# KiCad board Bus_Card.kicad_pcb
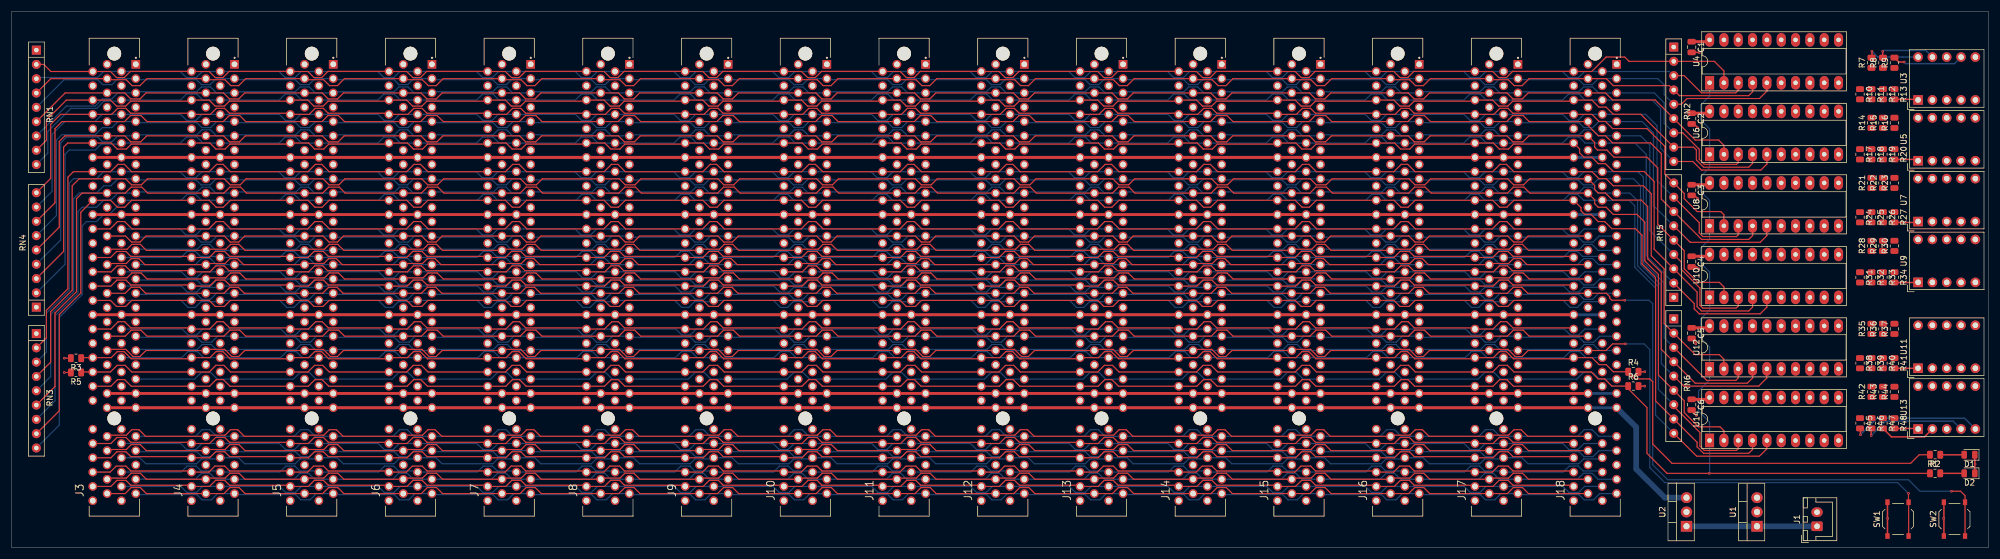
[diagram p0: board, top side]
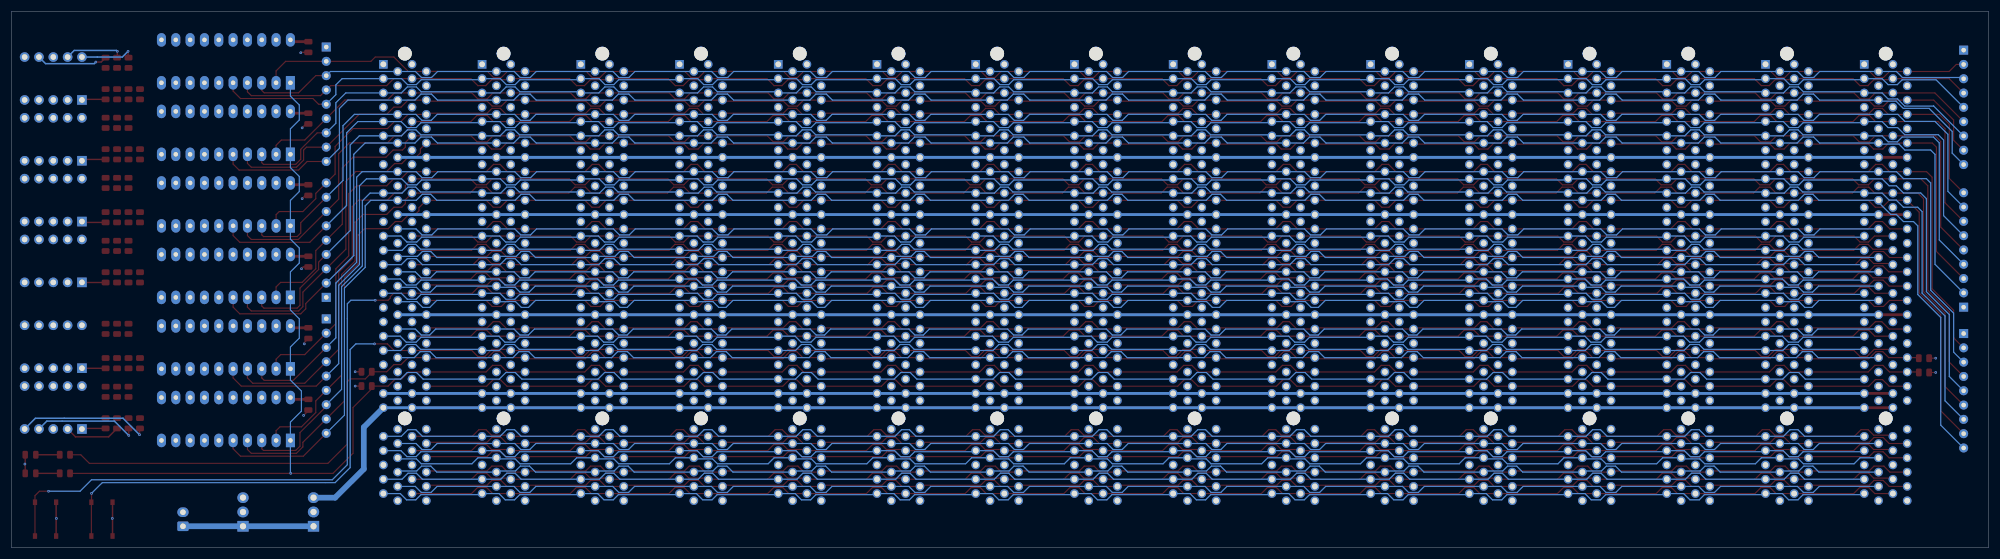
[diagram p1: board, bottom side, seen from below]

Outline 350.52 x 95.25 mm; copper layers: Top, In1.Cu (plane), In2.Cu (plane), Bottom. Coordinates in mm from the lower left corner of the outline.
Outline path: 0,95.25 0,0 350.52,0 350.52,95.25 0,95.25
Stack: Top 0.035mm / dielectric 0.2104mm FR4 er 4.5 / In1.Cu 0.0152mm / dielectric 1.065mm FR4 er 4.5 / In2.Cu 0.0152mm / dielectric 1.2104mm FR4 er 4.5 / Bottom 0.035mm

## Placement (name value [footprint] x y rotation side)
C1  100n  [C_0805_2012Metric]  297.86 88.9 270 top
C2  100n  [C_0805_2012Metric]  297.86 76.2 270 top
C3  100n  [C_0805_2012Metric]  297.86 63.5 270 top
C4  100n  [C_0805_2012Metric]  297.86 50.8 270 top
C5  100n  [C_0805_2012Metric]  297.86 38.1 270 top
C6  100n  [C_0805_2012Metric]  297.86 25.4 270 top
D1  LED  [LED_0805_2012Metric]  347.11 16.51 180 top
D2  LED  [LED_0805_2012Metric]  347.11 13.21 180 top
J1  DC In  [JST_XH_B2B-XH-A_1x02_P2.50mm_Vertical]  320.09 3.81 90 top
J3  Bus_PCI_6502  [TE_5145154-4]  18.26 48.04 90 top
J4  Bus_PCI_6502  [TE_5145154-4]  35.76 48.04 90 top
J5  Bus_PCI_6502  [TE_5145154-4]  53.26 48.04 90 top
J6  Bus_PCI_6502  [TE_5145154-4]  70.76 48.04 90 top
J7  Bus_PCI_6502  [TE_5145154-4]  88.26 48.04 90 top
J8  Bus_PCI_6502  [TE_5145154-4]  105.76 48.04 90 top
J9  Bus_PCI_6502  [TE_5145154-4]  123.26 48.04 90 top
J10  Bus_PCI_6502  [TE_5145154-4]  140.76 48.04 90 top
J11  Bus_PCI_6502  [TE_5145154-4]  158.26 48.04 90 top
J12  Bus_PCI_6502  [TE_5145154-4]  175.76 48.04 90 top
J13  Bus_PCI_6502  [TE_5145154-4]  193.26 48.04 90 top
J14  Bus_PCI_6502  [TE_5145154-4]  210.76 48.04 90 top
J15  Bus_PCI_6502  [TE_5145154-4]  228.26 48.04 90 top
J16  Bus_PCI_6502  [TE_5145154-4]  245.76 48.04 90 top
J17  Bus_PCI_6502  [TE_5145154-4]  263.26 48.04 90 top
J18  Bus_PCI_6502  [TE_5145154-4]  280.76 48.04 90 top
R1  1k  [R_0805_2012Metric]  341.02 16.51 0 top
R2  1k  [R_0805_2012Metric]  341.02 13.21 0 top
R3  10k  [R_0805_2012Metric]  11.48 33.65 180 top
R4  10k  [R_0805_2012Metric]  287.53 31.24 0 top
R5  10k  [R_0805_2012Metric]  11.48 31.11 180 top
R6  10k  [R_0805_2012Metric]  287.53 28.7 0 top
R7  1k  [R_0805_2012Metric]  329.74 86.11 90 top
R8  1k  [R_0805_2012Metric]  331.77 86.11 90 top
R9  1k  [R_0805_2012Metric]  333.8 86.11 90 top
R10  1k  [R_0805_2012Metric]  327.71 80.52 270 top
R11  1k  [R_0805_2012Metric]  329.74 80.52 270 top
R12  1k  [R_0805_2012Metric]  331.77 80.52 270 top
R13  1k  [R_0805_2012Metric]  333.8 80.52 270 top
R14  1k  [R_0805_2012Metric]  329.74 75.44 90 top
R15  1k  [R_0805_2012Metric]  331.77 75.44 90 top
R16  1k  [R_0805_2012Metric]  333.8 75.44 90 top
R17  1k  [R_0805_2012Metric]  327.71 69.85 270 top
R18  1k  [R_0805_2012Metric]  329.74 69.85 270 top
R19  1k  [R_0805_2012Metric]  331.77 69.85 270 top
R20  1k  [R_0805_2012Metric]  333.8 69.85 270 top
R21  1k  [R_0805_2012Metric]  329.74 64.77 90 top
R22  1k  [R_0805_2012Metric]  331.77 64.77 90 top
R23  1k  [R_0805_2012Metric]  333.8 64.77 90 top
R24  1k  [R_0805_2012Metric]  327.71 58.67 270 top
R25  1k  [R_0805_2012Metric]  329.74 58.67 270 top
R26  1k  [R_0805_2012Metric]  331.77 58.67 270 top
R27  1k  [R_0805_2012Metric]  333.8 58.67 270 top
R28  1k  [R_0805_2012Metric]  329.74 53.59 90 top
R29  1k  [R_0805_2012Metric]  331.77 53.59 90 top
R30  1k  [R_0805_2012Metric]  333.8 53.59 90 top
R31  1k  [R_0805_2012Metric]  327.71 48.01 270 top
R32  1k  [R_0805_2012Metric]  329.74 48.01 270 top
R33  1k  [R_0805_2012Metric]  331.77 48.01 270 top
R34  1k  [R_0805_2012Metric]  333.8 48.01 270 top
R35  1k  [R_0805_2012Metric]  329.74 38.86 90 top
R36  1k  [R_0805_2012Metric]  331.77 38.86 90 top
R37  1k  [R_0805_2012Metric]  333.8 38.86 90 top
R38  1k  [R_0805_2012Metric]  327.71 32.77 270 top
R39  1k  [R_0805_2012Metric]  329.74 32.77 270 top
R40  1k  [R_0805_2012Metric]  331.77 32.77 270 top
R41  1k  [R_0805_2012Metric]  333.8 32.77 270 top
R42  1k  [R_0805_2012Metric]  329.74 27.69 90 top
R43  1k  [R_0805_2012Metric]  331.77 27.69 90 top
R44  1k  [R_0805_2012Metric]  333.8 27.69 90 top
R45  1k  [R_0805_2012Metric]  327.71 22.1 270 top
R46  1k  [R_0805_2012Metric]  329.74 22.1 270 top
R47  1k  [R_0805_2012Metric]  331.77 22.1 270 top
R48  1k  [R_0805_2012Metric]  333.8 22.1 270 top
RN1  10k  [R_Array_SIP9]  4.45 88.35 270 top
RN2  10k  [R_Array_SIP9]  294.69 88.9 270 top
RN3  10k  [R_Array_SIP9]  4.45 38.03 270 top
RN4  10k  [R_Array_SIP9]  4.45 42.71 90 top
RN5  10k  [R_Array_SIP9]  294.69 44.45 90 top
RN6  10k  [R_Array_SIP9]  294.69 40.64 270 top
SW1  RESET  [SW_Push_1P1T_XKB_TS-1187A]  334.45 5.08 90 top
SW2  NMI  [SW_Push_1P1T_XKB_TS-1187A]  344.45 5.08 90 top
U1  SY317  [TO-220-3_Vertical]  309.45 3.81 90 top
U2  SY317  [TO-220-3_Vertical]  296.95 3.81 90 top
U3  SA39-11EWA  [Sx39-1xxxxx]  337.99 79.5 90 top
U4  GAL16V8  [DIP-20_W7.62mm_Socket_LongPads]  301.04 82.55 90 top
U5  SA39-11EWA  [Sx39-1xxxxx]  337.99 68.71 90 top
U6  GAL16V8  [DIP-20_W7.62mm_Socket_LongPads]  301.04 69.85 90 top
U7  SA39-11EWA  [Sx39-1xxxxx]  337.99 57.91 90 top
U8  GAL16V8  [DIP-20_W7.62mm_Socket_LongPads]  301.04 57.15 90 top
U9  SA39-11EWA  [Sx39-1xxxxx]  337.99 47.12 90 top
U10  GAL16V8  [DIP-20_W7.62mm_Socket_LongPads]  301.04 44.45 90 top
U11  SA39-11EWA  [Sx39-1xxxxx]  337.99 31.88 90 top
U12  GAL16V8  [DIP-20_W7.62mm_Socket_LongPads]  301.04 31.76 90 top
U13  SA39-11EWA  [Sx39-1xxxxx]  337.99 21.08 90 top
U14  GAL16V8  [DIP-20_W7.62mm_Socket_LongPads]  301.04 19.05 90 top

## Library data of the parts
C1-C6 = -: Description: Unpolarized capacitor; ki_fp_filters: C_*
D1 D2 = -: Description: Light emitting diode; ki_fp_filters: LED* LED_SMD:* LED_THT:*
J1 = -: Description: Generic connector, single row, 01x02, script generated (kicad-library-utils/schlib/autogen/connector/); ki_fp_filters: Connector*:*_1x??_*
J3-J18 = -: Datasheet: http://pinouts.ru/Slots/PCI_pinout.shtml; Description: PCI bus connector for 5V cards
R1-R48 = -: Description: Resistor; ki_fp_filters: R_*
RN1-RN6 = -: Datasheet: http://www.vishay.com/docs/31509/csc.pdf; Description: 8 resistor network, star topology, bussed resistors, small symbol; ki_fp_filters: R?Array?SIP*
SW1 SW2 = -: Description: Single Pole Single Throw (SPST) switch
U1 U2 = -: Datasheet: https://github.com/Synthron/SY317/tree/main/SY317; Description: 3A Switching Mode Voltage Regulator; ki_fp_filters: TO?252* TO?263* TO?220*
U3 U5 U7 U9 U11 U13 = -: Datasheet: http://www.kingbrightusa.com/images/catalog/SPEC/sa39-11ewa.pdf; Description: Single digit 7 segment display, high efficiency red, common anode; ki_fp_filters: S?39?1*
U4 U6 U8 U10 U12 U14 = -: Description: Programmable Logic Array, DIP-20/SOIC-20/PLCC-20; ki_fp_filters: DIP* PDIP* SOIC* SO* PLCC*

## Footprints (pads in the part's own frame, mm; a bottom-side part is the same pattern mirrored in y, then rotated)
C_0805_2012Metric
  rrect 1x1.45 smd: 1(-0.95,0) 2(0.95,0)
DIP-20_W7.62mm_Socket_LongPads
  rect 2.4x1.6 hole 0.8: 1(0,0)
  oval 2.4x1.6 hole 0.8: 2(0,-2.54) 3(0,-5.08) 4(0,-7.62) 5(0,-10.16) 6(0,-12.7) 7(0,-15.24) 8(0,-17.78) 9(0,-20.32) 10(0,-22.86) 11(7.62,-22.86) 12(7.62,-20.32) 13(7.62,-17.78) 14(7.62,-15.24) 15(7.62,-12.7) 16(7.62,-10.16) 17(7.62,-7.62) 18(7.62,-5.08) 19(7.62,-2.54) 20(7.62,0)
JST_XH_B2B-XH-A_1x02_P2.50mm_Vertical
  rrect 1.7x2 hole 1: 1(0,0)
  oval 1.7x2 hole 1: 2(2.5,0)
LED_0805_2012Metric
  rrect 0.975x1.4 smd: 1(-0.938,0) 2(0.938,0)
R_0805_2012Metric
  rrect 1.025x1.4 smd: 1(-0.912,0) 2(0.912,0)
R_Array_SIP9
  rect 1.6x1.6 hole 0.8: 1(0,0)
  oval 1.6x1.6 hole 0.8: 2(2.54,0) 3(5.08,0) 4(7.62,0) 5(10.16,0) 6(12.7,0) 7(15.24,0) 8(17.78,0) 9(20.32,0)
SW_Push_1P1T_XKB_TS-1187A
  rect 1x0.75 smd: 1(-3,1.875) 1(3,1.875) 2(-3,-1.875) 2(3,-1.875)
Sx39-1xxxxx
  rect 1.7x1.7 hole 1: 1(0,0)
  round 1.7 hole 1: 2(0,-2.54) 3(0,-5.08) 4(0,-7.62) 5(0,-10.16) 6(7.62,-10.16) 7(7.62,-7.62) 8(7.62,-5.08) 9(7.62,-2.54) 10(7.62,0)
TE_5145154-4
  round 2.44 hole 2.44 unplated: (-25.08,0) (39.69,0)
  rect 1.53x1.53 hole 1.02: A1(37.79,-3.81)
  round 1.53 hole 1.02: A2(36.52,-1.27) A3(35.25,-3.81) A4(33.98,-1.27) A5(32.71,-3.81) A6(31.44,-1.27) A7(30.17,-3.81) A8(28.9,-1.27) A9(27.63,-3.81) A10(26.36,-1.27) A11(25.09,-3.81) A12(23.81,-1.27) A13(22.54,-3.81) A14(21.27,-1.27) A15(20,-3.81) A16(18.73,-1.27) A17(17.46,-3.81) A18(16.19,-1.27) A19(14.92,-3.81) A20(13.65,-1.27) A21(12.38,-3.81) A22(11.11,-1.27) A23(9.84,-3.81) A24(8.57,-1.27) A25(7.3,-3.81) A26(6.03,-1.27) A27(4.76,-3.81) A28(3.49,-1.27) A29(2.22,-3.81) A30(0.95,-1.27) A31(-0.32,-3.81) A32(-1.59,-1.27) A33(-2.86,-3.81) A34(-4.13,-1.27) A35(-5.4,-3.81) A36(-6.67,-1.27) A37(-7.94,-3.81) A38(-9.21,-1.27) A39(-10.48,-3.81) A40(-11.75,-1.27) A41(-13.02,-3.81) A42(-14.29,-1.27) A43(-15.56,-3.81) A44(-16.83,-1.27) A45(-18.1,-3.81) A46(-19.37,-1.27) A47(-20.64,-3.81) A48(-21.91,-1.27) A49(-23.18,-3.81) A52(-26.99,-1.27) A53(-28.26,-3.81) A54(-29.53,-1.27) A55(-30.8,-3.81) A56(-32.07,-1.27) A57(-33.34,-3.81) A58(-34.61,-1.27) A59(-35.88,-3.81) A60(-37.15,-1.27) A61(-38.42,-3.81) A62(-39.69,-1.27) B1(37.79,1.27) B2(36.52,3.81) B3(35.25,1.27) B4(33.98,3.81) B5(32.71,1.27) B6(31.44,3.81) B7(30.17,1.27) B8(28.9,3.81) B9(27.63,1.27) B10(26.36,3.81) B11(25.09,1.27) B12(23.81,3.81) B13(22.54,1.27) B14(21.27,3.81) B15(20,1.27) B16(18.73,3.81) B17(17.46,1.27) B18(16.19,3.81) B19(14.92,1.27) B20(13.65,3.81) B21(12.38,1.27) B22(11.11,3.81) B23(9.84,1.27) B24(8.57,3.81) B25(7.3,1.27) B26(6.03,3.81) B27(4.76,1.27) B28(3.49,3.81) B29(2.22,1.27) B30(0.95,3.81) B31(-0.32,1.27) B32(-1.59,3.81) B33(-2.86,1.27) B34(-4.13,3.81) B35(-5.4,1.27) B36(-6.67,3.81) B37(-7.94,1.27) B38(-9.21,3.81) B39(-10.48,1.27) B40(-11.75,3.81) B41(-13.02,1.27) B42(-14.29,3.81) B43(-15.56,1.27) B44(-16.83,3.81) B45(-18.1,1.27) B46(-19.37,3.81) B47(-20.64,1.27) B48(-21.91,3.81) B49(-23.18,1.27) B52(-26.99,3.81) B53(-28.26,1.27) B54(-29.53,3.81) B55(-30.8,1.27) B56(-32.07,3.81) B57(-33.34,1.27) B58(-34.61,3.81) B59(-35.88,1.27) B60(-37.15,3.81) B61(-38.42,1.27) B62(-39.69,3.81)
TO-220-3_Vertical
  rect 1.905x2 hole 1.1: 1(0,0)
  oval 1.905x2 hole 1.1: 2(2.54,0) 3(5.08,0)

## Nets
+5V: C1.1 C2.1 C3.1 C4.1 C5.1 C6.1 J3.A14 J3.A22 J3.A36 J3.A47 J3.B14 J3.B22 J3.B36 J3.B47 J4.A14 J4.A22 J4.A36 J4.A47 J4.B14 J4.B22 J4.B36 J4.B47 J5.A14 J5.A22 J5.A36 J5.A47 J5.B14 J5.B22 J5.B36 J5.B47 J6.A14 J6.A22 J6.A36 J6.A47 J6.B14 J6.B22 J6.B36 J6.B47 J7.A14 J7.A22 J7.A36 J7.A47 J7.B14 J7.B22 J7.B36 J7.B47 J8.A14 J8.A22 J8.A36 J8.A47 J8.B14 J8.B22 J8.B36 J8.B47 J9.A14 J9.A22 J9.A36 J9.A47 J9.B14 J9.B22 J9.B36 J9.B47 J10.A14 J10.A22 J10.A36 J10.A47 J10.B14 J10.B22 J10.B36 J10.B47 J11.A14 J11.A22 J11.A36 J11.A47 J11.B14 J11.B22 J11.B36 J11.B47 J12.A14 J12.A22 J12.A36 J12.A47 J12.B14 J12.B22 J12.B36 J12.B47 J13.A14 J13.A22 J13.A36 J13.A47 J13.B14 J13.B22 J13.B36 J13.B47 J14.A14 J14.A22 J14.A36 J14.A47 J14.B14 J14.B22 J14.B36 J14.B47 J15.A14 J15.A22 J15.A36 J15.A47 J15.B14 J15.B22 J15.B36 J15.B47 J16.A14 J16.A22 J16.A36 J16.A47 J16.B14 J16.B22 J16.B36 J16.B47 J17.A14 J17.A22 J17.A36 J17.A47 J17.B14 J17.B22 J17.B36 J17.B47 J18.A14 J18.A22 J18.A36 J18.A47 J18.B14 J18.B22 J18.B36 J18.B47 U1.3 U3.3 U3.8 U4.20 U5.3 U5.8 U6.20 U7.3 U7.8 U8.20 U9.3 U9.8 U10.20 U11.3 U11.8 U12.20 U13.3 U13.8 U14.20
+9V: J3.A49 J3.B49 J4.A49 J4.B49 J5.A49 J5.B49 J6.A49 J6.B49 J7.A49 J7.B49 J8.A49 J8.B49 J9.A49 J9.B49 J10.A49 J10.B49 J11.A49 J11.B49 J12.A49 J12.B49 J13.A49 J13.B49 J14.A49 J14.B49 J15.A49 J15.B49 J16.A49 J16.B49 J17.A49 J17.B49 J18.A49 J18.B49 U2.3
GND: C1.2 C2.2 C3.2 C4.2 C5.2 C6.2 D1.1 D2.1 J1.2 J3.A1 J3.A4 J3.A7 J3.A10 J3.A13 J3.A15 J3.A18 J3.A21 J3.A23 J3.A26 J3.A35 J3.A37 J3.A40 J3.A43 J3.A44 J3.A46 J3.A48 J3.A52 J3.A57 J3.A62 J3.B1 J3.B4 J3.B7 J3.B10 J3.B13 J3.B15 J3.B18 J3.B21 J3.B23 J3.B26 J3.B35 J3.B37 J3.B40 J3.B43 J3.B45 J3.B48 J3.B52 J3.B57 J3.B62 J4.A1 J4.A4 J4.A7 J4.A10 J4.A13 J4.A15 J4.A18 J4.A21 J4.A23 J4.A26 J4.A35 J4.A37 J4.A40 J4.A43 J4.A44 J4.A46 J4.A48 J4.A52 J4.A57 J4.A62 J4.B1 J4.B4 J4.B7 J4.B10 J4.B13 J4.B15 J4.B18 J4.B21 J4.B23 J4.B26 J4.B35 J4.B37 J4.B40 J4.B43 J4.B45 J4.B48 J4.B52 J4.B57 J4.B62 J5.A1 J5.A4 J5.A7 J5.A10 J5.A13 J5.A15 J5.A18 J5.A21 J5.A23 J5.A26 J5.A35 J5.A37 J5.A40 J5.A43 J5.A44 J5.A46 J5.A48 J5.A52 J5.A57 J5.A62 J5.B1 J5.B4 J5.B7 J5.B10 J5.B13 J5.B15 J5.B18 J5.B21 J5.B23 J5.B26 J5.B35 J5.B37 J5.B40 J5.B43 J5.B45 J5.B48 J5.B52 J5.B57 J5.B62 J6.A1 J6.A4 J6.A7 J6.A10 J6.A13 J6.A15 J6.A18 J6.A21 J6.A23 J6.A26 J6.A35 J6.A37 J6.A40 J6.A43 J6.A44 J6.A46 J6.A48 J6.A52 J6.A57 J6.A62 J6.B1 J6.B4 J6.B7 J6.B10 J6.B13 J6.B15 J6.B18 J6.B21 J6.B23 J6.B26 J6.B35 J6.B37 J6.B40 J6.B43 J6.B45 J6.B48 J6.B52 J6.B57 J6.B62 J7.A1 J7.A4 J7.A7 J7.A10 J7.A13 J7.A15 J7.A18 J7.A21 J7.A23 J7.A26 J7.A35 J7.A37 J7.A40 J7.A43 J7.A44 J7.A46 J7.A48 J7.A52 J7.A57 J7.A62 J7.B1 J7.B4 J7.B7 J7.B10 J7.B13 J7.B15 J7.B18 J7.B21 J7.B23 J7.B26 J7.B35 J7.B37 J7.B40 J7.B43 J7.B45 J7.B48 J7.B52 J7.B57 J7.B62 J8.A1 J8.A4 J8.A7 J8.A10 J8.A13 J8.A15 J8.A18 J8.A21 J8.A23 J8.A26 J8.A35 J8.A37 J8.A40 J8.A43 J8.A44 J8.A46 J8.A48 J8.A52 J8.A57 J8.A62 J8.B1 J8.B4 J8.B7 J8.B10 J8.B13 J8.B15 J8.B18 J8.B21 J8.B23 J8.B26 J8.B35 J8.B37 J8.B40 J8.B43 J8.B45 J8.B48 J8.B52 J8.B57 J8.B62 J9.A1 J9.A4 J9.A7 J9.A10 J9.A13 J9.A15 J9.A18 J9.A21 J9.A23 J9.A26 J9.A35 J9.A37 J9.A40 J9.A43 J9.A44 J9.A46 J9.A48 J9.A52 J9.A57 J9.A62 J9.B1 J9.B4 J9.B7 J9.B10 J9.B13 J9.B15 J9.B18 J9.B21 J9.B23 J9.B26 J9.B35 J9.B37 J9.B40 J9.B43 J9.B45 J9.B48 J9.B52 J9.B57 J9.B62 J10.A1 J10.A4 J10.A7 J10.A10 J10.A13 J10.A15 J10.A18 J10.A21 J10.A23 J10.A26 J10.A35 J10.A37 J10.A40 J10.A43 J10.A44 J10.A46 J10.A48 J10.A52 J10.A57 J10.A62 J10.B1 J10.B4 J10.B7 J10.B10 J10.B13 J10.B15 J10.B18 J10.B21 J10.B23 J10.B26 J10.B35 J10.B37 J10.B40 J10.B43 J10.B45 J10.B48 J10.B52 J10.B57 J10.B62 J11.A1 J11.A4 J11.A7 J11.A10 J11.A13 J11.A15 J11.A18 J11.A21 J11.A23 J11.A26 J11.A35 J11.A37 J11.A40 J11.A43 J11.A44 J11.A46 J11.A48 J11.A52 J11.A57 J11.A62 J11.B1 J11.B4 J11.B7 J11.B10 J11.B13 J11.B15 J11.B18 J11.B21 J11.B23 J11.B26 J11.B35 J11.B37 J11.B40 J11.B43 J11.B45 J11.B48 J11.B52 J11.B57 J11.B62 J12.A1 J12.A4 J12.A7 J12.A10 J12.A13 J12.A15 J12.A18 J12.A21 J12.A23 J12.A26 J12.A35 J12.A37 J12.A40 J12.A43 J12.A44 J12.A46 J12.A48 J12.A52 J12.A57 J12.A62 J12.B1 J12.B4 J12.B7 J12.B10 J12.B13 J12.B15 J12.B18 J12.B21 J12.B23 J12.B26 J12.B35 J12.B37 J12.B40 J12.B43 J12.B45 J12.B48 J12.B52 J12.B57 J12.B62 J13.A1 J13.A4 J13.A7 J13.A10 J13.A13 J13.A15 J13.A18 J13.A21 J13.A23 J13.A26 J13.A35 J13.A37 J13.A40 J13.A43 J13.A44 J13.A46 J13.A48 J13.A52 J13.A57 J13.A62 J13.B1 J13.B4 J13.B7 J13.B10 J13.B13 J13.B15 J13.B18 J13.B21 J13.B23 J13.B26 J13.B35 J13.B37 J13.B40 J13.B43 J13.B45 J13.B48 J13.B52 J13.B57 J13.B62 J14.A1 J14.A4 J14.A7 J14.A10 J14.A13 J14.A15 J14.A18 J14.A21 J14.A23 J14.A26 J14.A35 J14.A37 J14.A40 J14.A43 J14.A44 J14.A46 J14.A48 J14.A52 J14.A57 J14.A62 J14.B1 J14.B4 J14.B7 J14.B10 J14.B13 J14.B15 J14.B18 J14.B21 J14.B23 J14.B26 J14.B35 J14.B37 J14.B40 J14.B43 J14.B45 J14.B48 J14.B52 J14.B57 J14.B62 J15.A1 J15.A4 J15.A7 J15.A10 J15.A13 J15.A15 J15.A18 J15.A21 J15.A23 J15.A26 J15.A35 J15.A37 J15.A40 J15.A43 J15.A44 J15.A46 J15.A48 J15.A52 J15.A57 J15.A62 J15.B1 J15.B4 J15.B7 J15.B10 J15.B13 J15.B15 J15.B18 J15.B21 J15.B23 J15.B26 J15.B35 J15.B37 J15.B40 J15.B43 J15.B45 J15.B48 J15.B52 J15.B57 J15.B62 J16.A1 J16.A4 J16.A7 J16.A10 J16.A13 J16.A15 J16.A18 J16.A21 J16.A23 J16.A26 J16.A35 J16.A37 J16.A40 J16.A43 J16.A44 J16.A46 J16.A48 J16.A52 J16.A57 J16.A62 J16.B1 J16.B4 J16.B7 J16.B10 J16.B13 J16.B15 J16.B18 J16.B21 J16.B23 J16.B26 J16.B35 J16.B37 J16.B40 J16.B43 J16.B45 J16.B48 J16.B52 J16.B57 J16.B62 J17.A1 J17.A4 J17.A7 J17.A10 J17.A13 J17.A15 J17.A18 J17.A21 J17.A23 J17.A26 J17.A35 J17.A37 J17.A40 J17.A43 J17.A44 J17.A46 J17.A48 J17.A52 J17.A57 J17.A62 J17.B1 J17.B4 J17.B7 J17.B10 J17.B13 J17.B15 J17.B18 J17.B21 J17.B23 J17.B26 J17.B35 J17.B37 J17.B40 J17.B43 J17.B45 J17.B48 J17.B52 J17.B57 J17.B62 J18.A1 J18.A4 J18.A7 J18.A10 J18.A13 J18.A15 J18.A18 J18.A21 J18.A23 J18.A26 J18.A35 J18.A37 J18.A40 J18.A43 J18.A44 J18.A46 J18.A48 J18.A52 J18.A57 J18.A62 J18.B1 J18.B4 J18.B7 J18.B10 J18.B13 J18.B15 J18.B18 J18.B21 J18.B23 J18.B26 J18.B35 J18.B37 J18.B40 J18.B43 J18.B45 J18.B48 J18.B52 J18.B57 J18.B62 R3.2 R4.2 R5.2 R6.2 RN1.1 RN2.1 RN3.1 RN4.1 RN5.1 RN6.1 SW1.1 SW2.1 U1.2 U2.2 U4.10 U4.11 U6.10 U6.11 U8.10 U8.11 U10.10 U10.11 U12.10 U12.11 U14.10 U14.11
/A0: J3.B2 J4.B2 J5.B2 J6.B2 J7.B2 J8.B2 J9.B2 J10.B2 J11.B2 J12.B2 J13.B2 J14.B2 J15.B2 J16.B2 J17.B2 J18.B2 RN1.2 RN2.2 U4.2
/A1: J3.A2 J4.A2 J5.A2 J6.A2 J7.A2 J8.A2 J9.A2 J10.A2 J11.A2 J12.A2 J13.A2 J14.A2 J15.A2 J16.A2 J17.A2 J18.A2 RN1.3 RN2.3 U4.3
/A2: J3.B3 J4.B3 J5.B3 J6.B3 J7.B3 J8.B3 J9.B3 J10.B3 J11.B3 J12.B3 J13.B3 J14.B3 J15.B3 J16.B3 J17.B3 J18.B3 RN1.4 RN2.4 U4.4
/A3: J3.A3 J4.A3 J5.A3 J6.A3 J7.A3 J8.A3 J9.A3 J10.A3 J11.A3 J12.A3 J13.A3 J14.A3 J15.A3 J16.A3 J17.A3 J18.A3 RN1.5 RN2.5 U4.5
/A4: J3.B5 J4.B5 J5.B5 J6.B5 J7.B5 J8.B5 J9.B5 J10.B5 J11.B5 J12.B5 J13.B5 J14.B5 J15.B5 J16.B5 J17.B5 J18.B5 RN1.6 RN2.6 U6.2
/A5: J3.A5 J4.A5 J5.A5 J6.A5 J7.A5 J8.A5 J9.A5 J10.A5 J11.A5 J12.A5 J13.A5 J14.A5 J15.A5 J16.A5 J17.A5 J18.A5 RN1.7 RN2.7 U6.3
/A6: J3.B6 J4.B6 J5.B6 J6.B6 J7.B6 J8.B6 J9.B6 J10.B6 J11.B6 J12.B6 J13.B6 J14.B6 J15.B6 J16.B6 J17.B6 J18.B6 RN1.8 RN2.8 U6.4
/A7: J3.A6 J4.A6 J5.A6 J6.A6 J7.A6 J8.A6 J9.A6 J10.A6 J11.A6 J12.A6 J13.A6 J14.A6 J15.A6 J16.A6 J17.A6 J18.A6 RN1.9 RN2.9 U6.5
/A8: J3.B8 J4.B8 J5.B8 J6.B8 J7.B8 J8.B8 J9.B8 J10.B8 J11.B8 J12.B8 J13.B8 J14.B8 J15.B8 J16.B8 J17.B8 J18.B8 RN4.9 RN5.9 U8.2
/A9: J3.A8 J4.A8 J5.A8 J6.A8 J7.A8 J8.A8 J9.A8 J10.A8 J11.A8 J12.A8 J13.A8 J14.A8 J15.A8 J16.A8 J17.A8 J18.A8 RN4.8 RN5.8 U8.3
/A10: J3.B9 J4.B9 J5.B9 J6.B9 J7.B9 J8.B9 J9.B9 J10.B9 J11.B9 J12.B9 J13.B9 J14.B9 J15.B9 J16.B9 J17.B9 J18.B9 RN4.7 RN5.7 U8.4
/A11: J3.A9 J4.A9 J5.A9 J6.A9 J7.A9 J8.A9 J9.A9 J10.A9 J11.A9 J12.A9 J13.A9 J14.A9 J15.A9 J16.A9 J17.A9 J18.A9 RN4.6 RN5.6 U8.5
/A12: J3.B11 J4.B11 J5.B11 J6.B11 J7.B11 J8.B11 J9.B11 J10.B11 J11.B11 J12.B11 J13.B11 J14.B11 J15.B11 J16.B11 J17.B11 J18.B11 RN4.5 RN5.5 U10.2
/A13: J3.A11 J4.A11 J5.A11 J6.A11 J7.A11 J8.A11 J9.A11 J10.A11 J11.A11 J12.A11 J13.A11 J14.A11 J15.A11 J16.A11 J17.A11 J18.A11 RN4.4 RN5.4 U10.3
/A14: J3.B12 J4.B12 J5.B12 J6.B12 J7.B12 J8.B12 J9.B12 J10.B12 J11.B12 J12.B12 J13.B12 J14.B12 J15.B12 J16.B12 J17.B12 J18.B12 RN4.3 RN5.3 U10.4
/A15: J3.A12 J4.A12 J5.A12 J6.A12 J7.A12 J8.A12 J9.A12 J10.A12 J11.A12 J12.A12 J13.A12 J14.A12 J15.A12 J16.A12 J17.A12 J18.A12 RN4.2 RN5.2 U10.5
/CLK: J3.B44 J4.B44 J5.B44 J6.B44 J7.B44 J8.B44 J9.B44 J10.B44 J11.B44 J12.B44 J13.B44 J14.B44 J15.B44 J16.B44 J17.B44 J18.B44 R2.1 R5.1 R6.1 U4.1 U6.1 U8.1 U10.1 U12.1 U14.1
/D0: J3.B16 J4.B16 J5.B16 J6.B16 J7.B16 J8.B16 J9.B16 J10.B16 J11.B16 J12.B16 J13.B16 J14.B16 J15.B16 J16.B16 J17.B16 J18.B16 RN3.2 RN6.2 U12.2
/D1: J3.A16 J4.A16 J5.A16 J6.A16 J7.A16 J8.A16 J9.A16 J10.A16 J11.A16 J12.A16 J13.A16 J14.A16 J15.A16 J16.A16 J17.A16 J18.A16 RN3.3 RN6.3 U12.3
/D2: J3.B17 J4.B17 J5.B17 J6.B17 J7.B17 J8.B17 J9.B17 J10.B17 J11.B17 J12.B17 J13.B17 J14.B17 J15.B17 J16.B17 J17.B17 J18.B17 RN3.4 RN6.4 U12.4
/D3: J3.A17 J4.A17 J5.A17 J6.A17 J7.A17 J8.A17 J9.A17 J10.A17 J11.A17 J12.A17 J13.A17 J14.A17 J15.A17 J16.A17 J17.A17 J18.A17 RN3.5 RN6.5 U12.5
/D4: J3.B19 J4.B19 J5.B19 J6.B19 J7.B19 J8.B19 J9.B19 J10.B19 J11.B19 J12.B19 J13.B19 J14.B19 J15.B19 J16.B19 J17.B19 J18.B19 RN3.6 RN6.6 U14.2
/D5: J3.A19 J4.A19 J5.A19 J6.A19 J7.A19 J8.A19 J9.A19 J10.A19 J11.A19 J12.A19 J13.A19 J14.A19 J15.A19 J16.A19 J17.A19 J18.A19 RN3.7 RN6.7 U14.3
/D6: J3.B20 J4.B20 J5.B20 J6.B20 J7.B20 J8.B20 J9.B20 J10.B20 J11.B20 J12.B20 J13.B20 J14.B20 J15.B20 J16.B20 J17.B20 J18.B20 RN3.8 RN6.8 U14.4
/D7: J3.A20 J4.A20 J5.A20 J6.A20 J7.A20 J8.A20 J9.A20 J10.A20 J11.A20 J12.A20 J13.A20 J14.A20 J15.A20 J16.A20 J17.A20 J18.A20 RN3.9 RN6.9 U14.5
/E: J3.A45 J4.A45 J5.A45 J6.A45 J7.A45 J8.A45 J9.A45 J10.A45 J11.A45 J12.A45 J13.A45 J14.A45 J15.A45 J16.A45 J17.A45 J18.A45
/M/X: J3.B46 J4.B46 J5.B46 J6.B46 J7.B46 J8.B46 J9.B46 J10.B46 J11.B46 J12.B46 J13.B46 J14.B46 J15.B46 J16.B46 J17.B46 J18.B46
/P2/VDA: J3.A39 J4.A39 J5.A39 J6.A39 J7.A39 J8.A39 J9.A39 J10.A39 J11.A39 J12.A39 J13.A39 J14.A39 J15.A39 J16.A39 J17.A39 J18.A39
/PAGE: J3.B34 J4.B34 J5.B34 J6.B34 J7.B34 J8.B34 J9.B34 J10.B34 J11.B34 J12.B34 J13.B34 J14.B34 J15.B34 J16.B34 J17.B34 J18.B34
/R/~{W}: J3.B42 J4.B42 J5.B42 J6.B42 J7.B42 J8.B42 J9.B42 J10.B42 J11.B42 J12.B42 J13.B42 J14.B42 J15.B42 J16.B42 J17.B42 J18.B42 R1.1 R3.1 R4.1
/RAM_0: J3.A53 J4.A53 J5.A53 J6.A53 J7.A53 J8.A53 J9.A53 J10.A53 J11.A53 J12.A53 J13.A53 J14.A53 J15.A53 J16.A53 J17.A53 J18.A53
/RAM_1: J3.A54 J4.A54 J5.A54 J6.A54 J7.A54 J8.A54 J9.A54 J10.A54 J11.A54 J12.A54 J13.A54 J14.A54 J15.A54 J16.A54 J17.A54 J18.A54
/RAM_2: J3.A55 J4.A55 J5.A55 J6.A55 J7.A55 J8.A55 J9.A55 J10.A55 J11.A55 J12.A55 J13.A55 J14.A55 J15.A55 J16.A55 J17.A55 J18.A55
/RAM_3: J3.A56 J4.A56 J5.A56 J6.A56 J7.A56 J8.A56 J9.A56 J10.A56 J11.A56 J12.A56 J13.A56 J14.A56 J15.A56 J16.A56 J17.A56 J18.A56
/RAM_4: J3.A58 J4.A58 J5.A58 J6.A58 J7.A58 J8.A58 J9.A58 J10.A58 J11.A58 J12.A58 J13.A58 J14.A58 J15.A58 J16.A58 J17.A58 J18.A58
/RAM_5: J3.A59 J4.A59 J5.A59 J6.A59 J7.A59 J8.A59 J9.A59 J10.A59 J11.A59 J12.A59 J13.A59 J14.A59 J15.A59 J16.A59 J17.A59 J18.A59
/RAM_6: J3.A60 J4.A60 J5.A60 J6.A60 J7.A60 J8.A60 J9.A60 J10.A60 J11.A60 J12.A60 J13.A60 J14.A60 J15.A60 J16.A60 J17.A60 J18.A60
/RAM_7: J3.A61 J4.A61 J5.A61 J6.A61 J7.A61 J8.A61 J9.A61 J10.A61 J11.A61 J12.A61 J13.A61 J14.A61 J15.A61 J16.A61 J17.A61 J18.A61
/ROM_0: J3.B53 J4.B53 J5.B53 J6.B53 J7.B53 J8.B53 J9.B53 J10.B53 J11.B53 J12.B53 J13.B53 J14.B53 J15.B53 J16.B53 J17.B53 J18.B53
/ROM_1: J3.B54 J4.B54 J5.B54 J6.B54 J7.B54 J8.B54 J9.B54 J10.B54 J11.B54 J12.B54 J13.B54 J14.B54 J15.B54 J16.B54 J17.B54 J18.B54
/ROM_2: J3.B55 J4.B55 J5.B55 J6.B55 J7.B55 J8.B55 J9.B55 J10.B55 J11.B55 J12.B55 J13.B55 J14.B55 J15.B55 J16.B55 J17.B55 J18.B55
/ROM_3: J3.B56 J4.B56 J5.B56 J6.B56 J7.B56 J8.B56 J9.B56 J10.B56 J11.B56 J12.B56 J13.B56 J14.B56 J15.B56 J16.B56 J17.B56 J18.B56
/ROM_4: J3.B58 J4.B58 J5.B58 J6.B58 J7.B58 J8.B58 J9.B58 J10.B58 J11.B58 J12.B58 J13.B58 J14.B58 J15.B58 J16.B58 J17.B58 J18.B58
/ROM_5: J3.B59 J4.B59 J5.B59 J6.B59 J7.B59 J8.B59 J9.B59 J10.B59 J11.B59 J12.B59 J13.B59 J14.B59 J15.B59 J16.B59 J17.B59 J18.B59
/ROM_6: J3.B60 J4.B60 J5.B60 J6.B60 J7.B60 J8.B60 J9.B60 J10.B60 J11.B60 J12.B60 J13.B60 J14.B60 J15.B60 J16.B60 J17.B60 J18.B60
/ROM_7: J3.B61 J4.B61 J5.B61 J6.B61 J7.B61 J8.B61 J9.B61 J10.B61 J11.B61 J12.B61 J13.B61 J14.B61 J15.B61 J16.B61 J17.B61 J18.B61
/SYNC/VPA: J3.A38 J4.A38 J5.A38 J6.A38 J7.A38 J8.A38 J9.A38 J10.A38 J11.A38 J12.A38 J13.A38 J14.A38 J15.A38 J16.A38 J17.A38 J18.A38
/~{BE}: J3.A42 J4.A42 J5.A42 J6.A42 J7.A42 J8.A42 J9.A42 J10.A42 J11.A42 J12.A42 J13.A42 J14.A42 J15.A42 J16.A42 J17.A42 J18.A42
/~{H_RAM}: J3.B25 J4.B25 J5.B25 J6.B25 J7.B25 J8.B25 J9.B25 J10.B25 J11.B25 J12.B25 J13.B25 J14.B25 J15.B25 J16.B25 J17.B25 J18.B25
/~{IO}: J3.A24 J4.A24 J5.A24 J6.A24 J7.A24 J8.A24 J9.A24 J10.A24 J11.A24 J12.A24 J13.A24 J14.A24 J15.A24 J16.A24 J17.A24 J18.A24
/~{IRQ_0.0}: J3.A27 J4.A27 J5.A27 J6.A27 J7.A27 J8.A27 J9.A27 J10.A27 J11.A27 J12.A27 J13.A27 J14.A27 J15.A27 J16.A27 J17.A27 J18.A27
/~{IRQ_0.1}: J3.A28 J4.A28 J5.A28 J6.A28 J7.A28 J8.A28 J9.A28 J10.A28 J11.A28 J12.A28 J13.A28 J14.A28 J15.A28 J16.A28 J17.A28 J18.A28
/~{IRQ_0.2}: J3.A29 J4.A29 J5.A29 J6.A29 J7.A29 J8.A29 J9.A29 J10.A29 J11.A29 J12.A29 J13.A29 J14.A29 J15.A29 J16.A29 J17.A29 J18.A29